# KiCad board rosco_m68k_keyboard-2.kicad_pcb (continued)
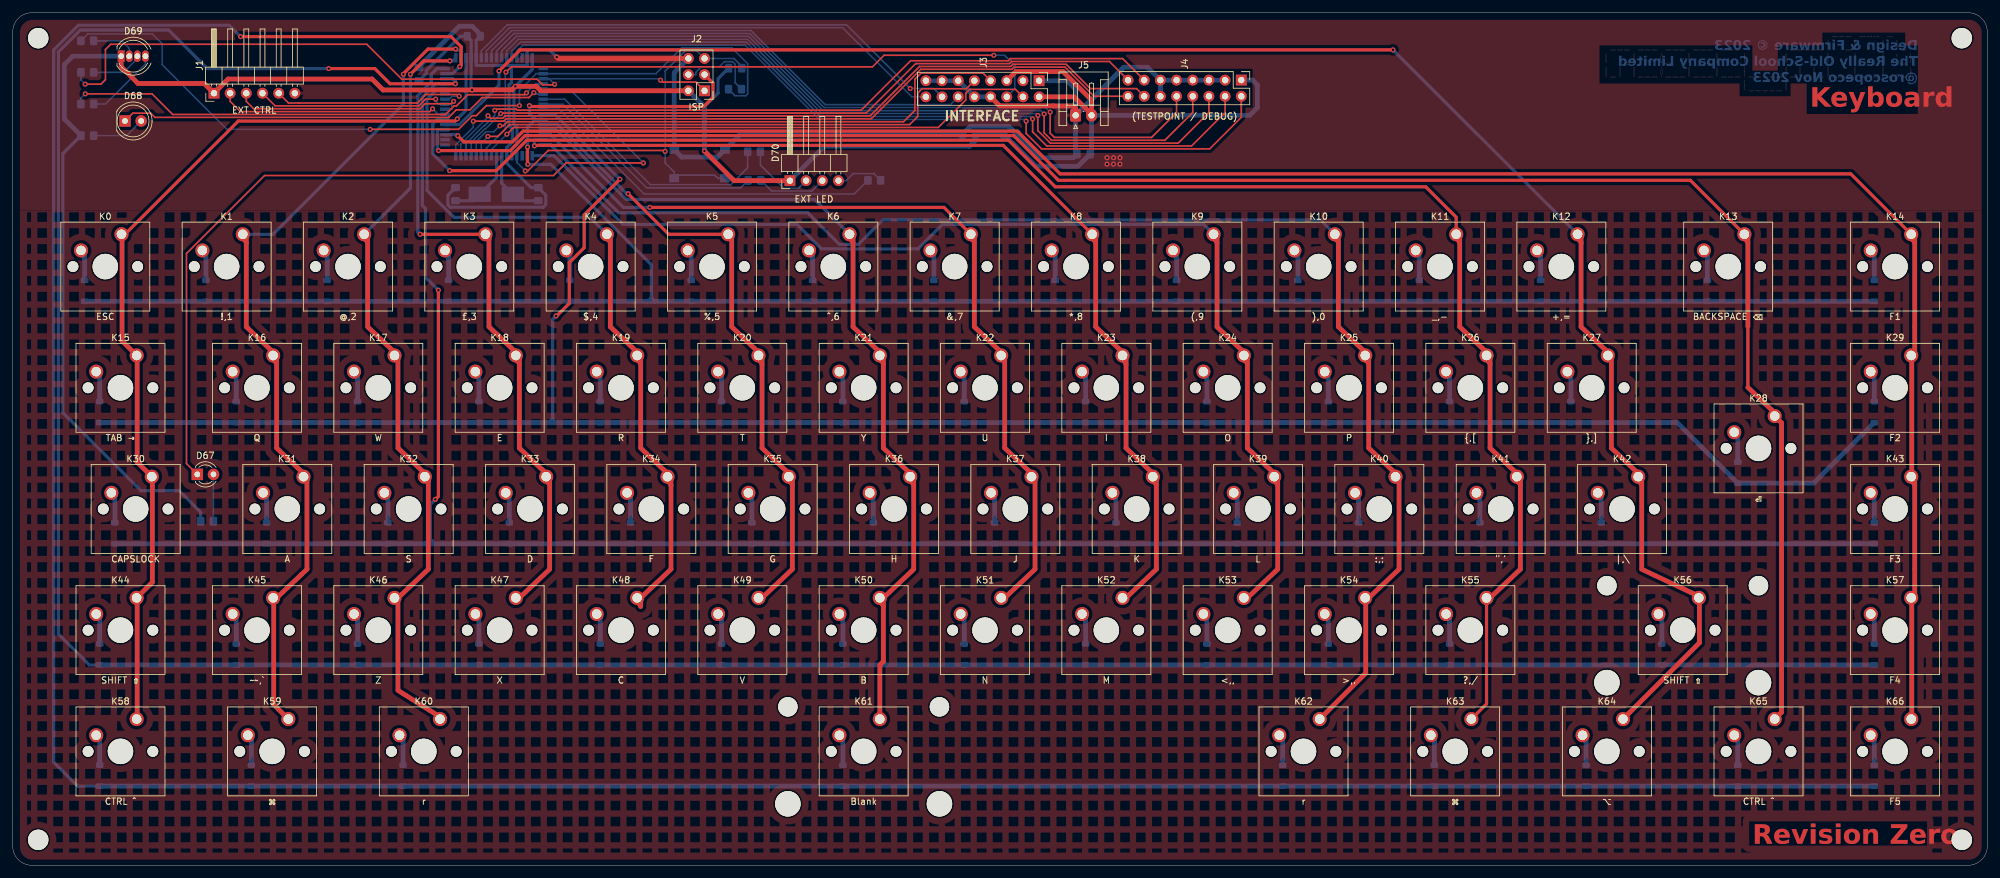
[diagram p0: board, top side]
## Nets (continued)
Net-(D30-A): D30.2 K30.2
Net-(D31-A): D31.2 K31.2
Net-(D32-A): D32.2 K32.2
Net-(D33-A): D33.2 K33.2
Net-(D34-A): D34.2 K34.2
Net-(D35-A): D35.2 K35.2
Net-(D36-A): D36.2 K36.2
Net-(D37-A): D37.2 K37.2
Net-(D38-A): D38.2 K38.2
Net-(D39-A): D39.2 K39.2
Net-(D40-A): D40.2 K40.2
Net-(D41-A): D41.2 K41.2
Net-(D42-A): D42.2 K42.2
Net-(D43-A): D43.2 K43.2
Net-(D44-A): D44.2 K44.2
Net-(D45-A): D45.2 K45.2
Net-(D46-A): D46.2 K46.2
Net-(D47-A): D47.2 K47.2
Net-(D48-A): D48.2 K48.2
Net-(D49-A): D49.2 K49.2
Net-(D50-A): D50.2 K50.2
Net-(D51-A): D51.2 K51.2
Net-(D52-A): D52.2 K52.2
Net-(D53-A): D53.2 K53.2
Net-(D54-A): D54.2 K54.2
Net-(D55-A): D55.2 K55.2
Net-(D56-A): D56.2 K56.2
Net-(D57-A): D57.2 K57.2
Net-(D58-A): D58.2 K58.2
Net-(D59-A): D59.2 K59.2
Net-(D60-A): D60.2 K60.2
Net-(D61-A): D61.2 K61.2
Net-(D62-A): D62.2 K62.2
Net-(D63-A): D63.2 K63.2
Net-(D64-A): D64.2 K64.2
Net-(D65-A): D65.2 K65.2
Net-(D66-A): D66.2 K66.2
Net-(D67-A): D67.2 R3.1
Net-(D68-A): D68.2 R4.1
Net-(D69-BK): D69.4 R7.1
Net-(D69-GK): D69.3 R6.1
Net-(D69-RK): D69.2 R5.1
Net-(D70-BK): D70.4 R10.1
Net-(D70-GK): D70.3 R9.1
Net-(D70-RK): D70.2 R8.1
Net-(J2-Pin_4): J2.4 R2.1
Net-(U1-XTAL1): C6.1 U1.24 Y1.1
Net-(U1-XTAL2): C7.1 U1.23 Y1.2

Pads without a net: J3 3; U1 1 18 19 33 34 43 62

## Via types
v1: diameter 0.8, hole 0.4, Top to Bottom, 65 vias

## Routing (per net, layer and track width the routed paths; a pad name or vN(x,y) marks a point on that pad's centre or on a via; arc(x,y) is an arc through that point)
GND: length 254.8
  Top w0.75: J3.8 154.95,119.35 163.41,119.35 163.42,119.34 166.47,119.34 166.87,118.94 J5.1 ; J2.6 85.63,126.81 v1(85.41,127.04)
  Bottom w0.25: 81.81,106.5 C7.2
  Bottom w0.5: C5.2 72.76,129.65 72.76,125.72 78.08,125.72 78.29,125.51 ; C6.2 68.33,105.32 68.33,103.8 68.71,103.42 83.27,103.42 83.68,103.83 83.68,105.34 C7.2 ; 81.81,106.5 81.38,106.5 77.56,110.32 U1.22 77.56,112.81 78.44,113.69 78.44,115.69 77.91,116.22 77.91,122.63 78.29,123.01 78.29,125.51 ; 78.29,125.51 78.51,125.72 80.76,125.72 80.76,128.13 84.32,128.13 v1(85.41,127.04)
  Bottom w0.75: J4.11 J4.9 J4.7 J4.5 J4.3 ; J4.11 178.15,125.44 174.43,125.44 J5.1 ; J4.11 J4.12 ; J5.1 166.87,121.99 165.54,123.32 J3.1 ; J5.1 166.87,112 C1.2 166.53,111.21 161.31,111.21 C3.2 156.37,116.15 150.37,116.15 C2.2 114.21,114.88 SW1.1 110.63,111.3 105.03,111.3 SW1.1 103.85,124.59 J2.6 ; 73.4,130.6 72.12,131.88 70.12,131.88 63.78,125.54 ; J3.8 J3.10 J3.11 J3.13 J3.15
  vias: v1(171.8,111.21) v1(171.8,110.2) v1(172.82,111.21) v1(172.82,110.2) v1(173.83,111.21) v1(173.83,110.2)
VCC: length 381.3
  Top w0.75: J3.2 166.62,120.78 169.37,118.03 J5.2 169.37,120.27 164.9,124.74 157.49,124.74 J3.5 ; D70.1 113.26,107.6 v1(108.59,112.27) ; J2.2 82.9,121.73 82.2,122.43 v1(78.91,122.43) 78.37,121.88 v1(72.12,121.88) 72.1,121.86 58.14,121.86 56.42,123.58 33.82,123.58 J1.1 30.06,122.88 19.66,122.88 17.02,125.52 D69.1
  Bottom w0.5: v1(72.12,121.88) 71.96,122.04 U1.52 71.96,129.69 C5.1 70.29,130.29 64.93,124.94 64.93,124.47 C4.1 ; R3.2 29.49,55.51 26.12,58.88 20.12,58.88 7.87,71.13 7.87,111.88 7.9,111.88 R4.2 ; R1.2 110.75,123.63 110.75,121.37 108.59,119.22 ; U1.21 78.36,112.53 79.14,113.32 79.14,115.98 78.69,116.44 78.69,122.2 v1(78.91,122.43) 81.56,125.07 U1.64
  Bottom w0.75: J2.2 108.59,119.22 v1(108.59,112.27) ; J4.1 194.66,123.41 195.42,122.64 195.42,119.09 194.21,117.88 J5.2 169.37,112 C1.1 ; C1.1 167.25,109.88 160.6,109.88 C3.1 C2.1 151.15,113.93 150.21,112.99 127.41,112.99 D70.1 ; C1.1 169.46,111.78 ; D69.1 9.41,127.17 8.12,125.88 8.12,117.27 R4.2
/AUX_D4: length 111.7
  Top w0.25: J4.15 172.17,126.34 156.82,126.34 156.48,126 141.76,126 133.98,118.23 76.7,118.23 v1(76.61,118.13)
  Bottom w0.25: v1(76.61,118.13) 74.21,115.74 74.11,115.74 71.96,113.59 U1.29
/AUX_D5: length 116
  Top w0.25: J4.13 174.26,126.79 156.64,126.79 156.3,126.45 140.97,126.45 133.19,118.68 79.25,118.68 79.06,118.86 75.88,118.86 v1(75.67,118.65)
  Bottom w0.25: v1(75.67,118.65) 75.67,117.85 74.01,116.19 73.92,116.19 71.16,113.43 U1.30
/AUX_D6: length 116.8
  Top w0.25: J4.14 176.44,122.07 169.2,122.07 165.38,125.89 157.01,125.89 156.67,125.55 142.37,125.55 134.59,117.77 77.27,117.77 76.91,117.41 75.01,117.41 v1(74.61,117.81)
  Bottom w0.25: U1.31 70.36,113.36 74.61,117.61 v1(74.61,117.81)
/AUX_D7: length 114.8
  Top w0.25: v1(72.3,116.95) 77.09,116.95 77.46,117.32 134.78,117.32 142.56,125.1 156.86,125.1 157.2,125.44 165.19,125.44 169.77,120.87 J4.16
  Bottom w0.25: v1(72.3,116.95) 72.3,116.01 69.56,113.27 U1.32
/AUX_F0: length 128.4
  Top w0.25: v1(159.1,116.96) 159.1,115.02 161.53,112.6 187.92,112.6 192.88,117.56 J4.2
  Bottom w0.25: U1.61 79.16,128 80.09,128.93 114.97,128.93 126.68,117.23 158.84,117.23 v1(159.1,116.96)
/AUX_F1: length 126.3
  Top w0.25: J4.4 190.34,118.33 185.07,113.05 162.35,113.05 160.12,115.28 v1(160.12,117.31)
  Bottom w0.25: v1(160.12,117.31) 159.74,117.69 126.86,117.69 115.16,129.38 79.74,129.38 78.36,128 U1.60
/AUX_F2: length 124.8
  Top w0.25: v1(160.95,117.87) 160.95,115.46 162.91,113.5 182.98,113.5 187.8,118.33 J4.6
  Bottom w0.25: U1.59 77.56,128 79.39,129.83 115.35,129.83 127.03,118.15 160.66,118.15 v1(160.95,117.87)
/AUX_F3: length 123.4
  Top w0.25: J4.8 185.26,118.33 180.89,113.95 163.1,113.95 161.93,115.12 v1(161.93,118.08)
  Bottom w0.25: 76.76,126.92 76.76,128 79.04,130.29 115.53,130.29 127.2,118.62 161.38,118.62 v1(161.93,118.08)
/AUX_F4: length 121.9
  Top w0.25: J4.10 182.72,118.33 178.8,114.4 163.54,114.4 162.88,115.06 v1(162.88,118.38)
  Bottom w0.25: v1(162.88,118.38) 162.16,119.1 127.36,119.1 115.72,130.74 78.7,130.74 75.96,128 U1.57
/Col_0: length 148.6
  Top w0.5: v1(69.8,117.31) 69.46,116.98 35.42,116.98 17.62,99.18
  Top w0.75: 21.92,60.99 21.92,44.5 K44.1 ; K30.1 19.54,63.38 19.54,80.04 ; 19.54,41.94 19.54,23.06 ; K15.1 17.16,82.43 17.16,99.09
  Bottom w0.5: U1.51 71.16,118.68 v1(69.8,117.31)
/Col_1: length 136.4
  Top w0.5: 41.44,78.76 40.89,79.32 ; v1(61.33,124.33) 61.33,124.43 65.19,128.29 v1(69.53,128.29) ; 41.44,65.63 41.44,65.58 ; 36.67,84.68 36.67,84.63 ; 36.67,97.81 36.12,98.36 ; 45.29,45.67 46.2,46.58
  Top w0.75: 46.2,46.53 41.44,42.03 ; K59.1 40.97,25.28 40.97,41.94 ; 36.67,84.68 36.67,99.18 ; 41.44,65.63 41.44,80.13 36.67,84.63 ; 41.44,65.58 46.2,61.08 46.2,46.58
  Bottom w0.5: v1(61.33,124.33) 61.33,123.33 61.33,123.32 61.33,119.65 40.86,99.18 K1.1 ; v1(69.53,128.29) 69.69,128.13 70.36,128.13 U1.50
/Col_2: length 123.7
  Top w0.5: 60.49,65.63 60.49,65.58 ; 65.25,46.58 65.25,46.53 ; 55.72,97.81 55.17,98.36 ; 55.72,84.68 55.72,84.63 ; v1(68.62,126.43) 64.54,126.43 v1(62.43,124.33) ; 65.25,60.41 64.7,60.96 ; 60.49,27.53 60.49,27.48
  Top w0.75: 65.25,46.58 65.25,61.08 60.49,65.58 ; 55.72,84.68 55.72,99.18 ; 55.72,84.63 60.49,80.13 60.49,65.63 ; 65.25,46.53 62.5,43.93 60.49,42.03 60.49,27.53 ; 67.23,23.23 60.49,27.48
  Bottom w0.5: v1(62.43,124.33) 62.43,106.44 K2.1 ; v1(68.62,126.43) 69.07,126.43 U1.49
/Col_3: length 104.6
  Top w0.5: 79.54,78.76 78.99,79.32 ; 84.3,46.58 84.3,46.53 ; K3.1 v1(63.95,99.18) ; 74.77,98.51 74.22,99.06 ; 74.77,84.68 74.77,84.63 ; 84.3,59.71 83.75,60.26 ; 79.54,65.63 79.54,65.58
  Top w0.75: 84.3,46.58 84.3,61.08 79.54,65.58 ; 74.77,99.18 74.77,84.68 ; 79.54,65.63 79.54,80.13 74.77,84.63 ; 84.3,46.53 79.54,42.03
  Bottom w0.5: U1.48 66.61,125.22 65.7,124.32 65.7,123.12 63.6,121.02 63.6,99.53 v1(63.95,99.18)
/Col_4: length 116.7
  Top w0.5: 103.35,59.71 102.8,60.26 ; 93.82,97.81 93.27,98.36 ; 103.35,46.58 103.35,46.53 ; 98.59,78.76 98.04,79.32 ; 93.82,84.68 93.82,84.63 ; 98.59,65.63 98.59,65.58 ; 98.59,40.66 98.04,41.22
  Top w0.75: 98.59,40.66 98.59,42.03 103.35,46.53 ; 103.35,46.58 103.35,61.08 98.59,65.58 ; 98.59,65.63 98.59,80.13 93.82,84.63 ; 93.82,99.18 93.82,84.68
  Bottom w0.5: K4.1 90.61,101.85 69.27,101.85 65.05,106.06 65.05,120.42 66.66,122.02 U1.44
/Col_5: length 101.8
  Top w0.5: K5.1 102.98,99.18 v1(96.61,105.55) ; 117.64,65.63 117.64,65.58 ; 112.87,98.51 112.32,99.06 ; 122.4,59.71 121.85,60.26 ; 117.64,78.76 117.09,79.32 ; 112.87,84.68 112.87,84.63 ; 122.4,46.58 122.4,46.53
  Top w0.75: 122.4,46.58 122.4,61.08 117.64,65.58 ; 112.87,99.18 112.87,84.68 ; 117.64,42.03 119.65,43.93 122.4,46.53 ; 112.87,84.63 117.64,80.13 117.64,65.63
  Bottom w0.5: v1(96.61,105.55) 96.4,105.55 85.52,116.42 83.26,116.42
/Col_6: length 141.1
  Top w0.5: 131.92,97.81 131.37,98.36 ; 131.92,84.68 131.92,84.63 ; 141.08,46.18 141.45,46.55 141.45,46.58 ; 136.69,40.66 136.14,41.22 ; 141.45,59.71 140.9,60.26 ; 136.69,78.76 136.14,79.32 ; 136.69,65.63 136.69,65.58
  Top w0.75: 141.45,46.53 136.69,42.03 136.69,32.03 136.14,31.48 K61.1 ; 141.45,46.58 141.45,61.08 136.69,65.58 ; 131.92,99.18 131.92,84.68 ; 136.69,65.63 136.69,80.13 131.92,84.63
  Bottom w0.5: 83.26,115.62 85.33,115.62 96.3,104.66 125.89,104.66 K6.1
/Col_7: length 138.5
  Top w0.5: 160.5,60.41 159.95,60.96 ; 150.97,84.68 150.97,84.63 ; 150.97,97.81 150.42,98.36 ; v1(100.01,103.4) 146.2,103.4 K7.1 ; 160.5,46.58 160.5,46.53 ; 155.74,65.63 155.74,65.58
  Top w0.75: 150.97,84.68 150.97,99.18 ; 155.74,65.63 155.74,80.13 150.97,84.63 ; 155.74,42.03 160.5,46.53 ; 155.74,65.58 160.5,61.08 160.5,46.58
  Bottom w0.5: v1(100.01,103.4) 95.88,103.4 84.46,114.82 83.26,114.82
/Col_8: length 161.2
  Top w0.5: 174.79,65.63 174.79,65.58 ; 179.55,46.58 179.55,46.53 ; 170.02,84.68 170.02,84.63 ; 170.02,97.81 169.47,98.36 ; 179.55,59.71 179,60.26 ; 174.79,78.76 174.24,79.32 ; v1(81.91,113.09) 81.97,113.15 155.5,113.15 K8.1
  Top w0.75: 174.79,42.03 179.55,46.53 ; 170.02,84.68 170.02,99.18 ; 179.55,46.58 179.55,61.08 174.79,65.58 ; 170.02,84.63 174.79,80.13 174.79,65.63
  Bottom w0.5: 83.26,114.02 82.06,114.02 81.91,113.87 v1(81.91,113.09)
/Col_9: length 181.4
  Top w0.5: 198.23,46.18 198.6,46.55 198.6,46.58 ; 198.6,59.71 198.05,60.26 ; 189.07,84.68 189.07,84.63 ; 189.07,97.81 188.52,98.36 ; 193.84,78.76 193.29,79.32 ; 193.84,65.63 193.84,65.58
  Top w0.75: 198.6,46.53 193.84,42.03 ; 193.84,65.58 198.6,61.08 198.6,46.58 ; 189.07,84.68 189.07,99.18 ; 189.07,84.63 193.84,80.13 193.84,65.63
  Bottom w0.5: K9.1 186.96,100.74 145.98,100.74 142.13,96.89 126.97,96.89 123.13,100.73 95.79,100.73 84.99,111.52 U1.17
/Col_10: length 220.1
  Top w0.5: 208.12,84.68 208.12,84.63 ; 217.65,46.58 217.65,46.53 ; 208.12,97.81 207.57,98.36 ; 212.89,65.63 212.89,65.58 ; 212.89,78.76 212.34,79.32
  Top w0.75: K62.1 212.42,30.21 212.42,41.94 ; 212.89,42.03 217.65,46.53 ; 217.65,46.58 217.65,61.08 212.89,65.58 ; 208.12,84.68 208.12,99.18 ; 212.89,65.63 212.89,80.13 208.12,84.63
  Bottom w0.5: 83.26,113.22 84.46,113.22 95.13,102.55 124.82,102.55 129.78,97.59 132.77,97.59 136.63,101.45 205.3,101.45 K10.1
/Col_11: length 264
  Top w0.5: v1(68.59,109.18) 75.91,109.18 80.71,113.97 156.35,113.97 163.67,106.64 221.84,106.64 226.62,101.86 K11.1 ; 227.17,97.81 226.62,98.36 ; 236.7,46.58 236.7,46.53 ; 227.17,84.68 227.17,84.63 ; K55.1 231.39,25.36 K63.1 ; 231.94,78.76 231.39,79.32 ; 236.7,59.71 236.15,60.26 ; 231.94,65.63 231.94,65.58
  Top w0.75: 236.7,46.58 236.7,61.08 231.94,65.58 ; 227.17,99.18 227.17,84.68 ; 227.17,84.63 231.94,80.13 231.94,65.63 ; 236.7,46.53 233.95,43.93 231.94,42.03
  Bottom w0.5: v1(68.59,109.18) 65.95,111.82 65.95,116.52 66.66,117.22 U1.38
/Col_12: length 288.3
  Top w0.5: 246.22,84.68 246.22,84.63 ; 255.75,59.71 255.2,60.26 ; 250.99,65.63 250.99,65.58 ; v1(216.69,128.16) 79.66,128.16 v1(76.34,124.83) ; 246.22,97.81 245.67,98.36 ; 255.75,46.58 255.75,46.53
  Top w0.75: 264.81,41.94 264.81,34.97 K64.1 ; 250.99,65.63 250.99,80.13 246.22,84.63 ; 246.22,99.18 246.22,84.68 ; 250.99,65.58 255.75,61.08 255.75,46.58 ; 264.82,42.24 255.75,46.53
  Bottom w0.5: K12.1 v1(216.69,128.16) ; v1(76.34,124.83) 76.34,122.62 70.14,116.42 U1.37
/Col_13: length 296.9
  Top w0.5: 272.42,97.81 271.87,98.36 ; K13.1 263.39,107.66 164.18,107.66 157.15,114.69 80.43,114.69 78.07,112.33 v1(66.85,112.33) ; 272.42,84.68 272.42,75.1
  Top w0.75: 272.42,84.68 272.42,99.18 ; 277.18,70.6 272.42,75.1 ; K28.1 277.69,69.54 277.69,24.04 K65.1
  Bottom w0.5: v1(66.85,112.33) 66.66,112.53 66.66,115.62 U1.36
/Col_14: length 315.5
  Top w0.5: K14.1 288.57,108.67 164.44,108.67 157.72,115.39 80.14,115.39 78.46,113.71 70.82,113.71 v1(69.87,114.66) ; 298.61,97.81 298.06,98.37 ; 298.61,59.71 298.06,60.27 ; 298.61,84.68 298.61,84.63 ; 298.61,46.53 298.61,46.58
  Top w0.75: 298.61,80.13 298.61,84.63 ; 298.61,99.18 298.61,84.68 ; 298.15,80.04 298.15,61.16 ; 298.61,42.03 298.61,46.53 ; 298.15,41.94 298.15,23.06 ; 298.61,46.58 298.61,61.08
  Bottom w0.5: U1.35 69.7,114.82 v1(69.87,114.66)
/LED0: length 129.3
  Top w0.25: v1(56.11,115.67) 69.99,115.67 72.15,117.83 72.78,117.83 74.36,119.4 v1(79.55,119.4)
  Bottom w0.25: v1(79.55,119.4) 79.55,121.79 82.18,124.42 100.98,124.42 105.04,128.48 112.9,128.48 115.38,125.99 115.38,121.25 115.07,120.94 113.41,120.94 R2.2 ; v1(56.11,115.67) 33.63,115.67 23.45,125.85 23.45,129.12 21.91,130.66 11.78,130.66 R5.2
/LED1: length 112.2
  Top w0.25: v1(85.07,122.75) 84.98,122.66 83.21,122.66 82.31,123.56 61.08,123.56 55.6,129.04 15.38,129.04 14.55,128.21 14.55,123.47 13.85,122.77 v1(11.37,122.77) ; J2.1 107.25,123.1 102.01,123.1 v1(101.7,123.4)
  Bottom w0.25: v1(85.07,122.75) 84.2,123.62 83.26,123.62 101.48,123.62 v1(101.7,123.4) ; v1(11.37,122.77) 10.7,123.44 R6.2
/LED2: length 77.1
  Top w0.25: v1(80.65,121.41) 80.37,121.12 71.43,121.12 69.65,119.34 69.27,119.34 67.94,118 25.12,118 21.87,121.25 v1(11.39,121.25)
  Bottom w0.25: R7.2 10.7,120.57 v1(11.39,121.25) ; 83.26,122.82 82.07,122.82 v1(80.65,121.41)
/LED3: length 133.6
  Top w0.25: D67.1 27.28,63.13 27.28,96.16 39.53,108.41 84.9,108.41 86.87,110.39 v1(99.01,110.39)
  Bottom w0.25: v1(99.01,110.39) 87.38,122.02 83.26,122.02
/LED4: length 68.1
  Top w0.25: v1(81.82,121.44) 81.05,120.67 73.71,120.67 71.77,118.73 69.62,118.73 68.44,117.55 22.32,117.55 21.66,118.21 18.85,118.21 D68.1
  Bottom w0.25: v1(81.82,121.44) 82.03,121.22 83.26,121.22
/LED5: length 41.3
  Bottom w0.25: R8.2 115.38,109.63 112.72,106.97 100.1,106.97 86.65,120.42 83.26,120.42
/LED6: length 38.1
  Bottom w0.25: 83.26,119.62 86.38,119.62 99.52,106.48 114.28,106.48 R9.2
/LED7: length 57.4
  Bottom w0.25: R10.2 132.12,105.52 99.13,105.52 85.82,118.82 83.26,118.82
/MISO: length 37.2
  Top w0.25: v1(69.21,120.07) 68.84,119.69 64.72,119.69 63.94,118.91 37.83,118.91 36.67,120.06 J1.3
  Bottom w0.25: U1.40 68.94,118.82 68.94,119.79 v1(69.21,120.07)
/MOSI: length 30.4
  Top w0.25: J1.4 41.2,119.36 63.75,119.36 64.81,120.42 v1(66.4,120.42)
  Bottom w0.25: U1.41 66.86,119.62 66.4,120.08 v1(66.4,120.42)
/Reset: length 65.7
  Top w0.25: v1(102.43,112.2) 102.28,112.35 84.07,112.35 80.86,109.14 v1(80.48,109.14)
  Bottom w0.25: U1.20 79.16,110.45 79.17,110.45 v1(80.48,109.14) ; SW1.2 110.7,107.98 110.21,108.47 103.85,108.47 103.85,108.95 102.43,110.38 v1(102.43,112.2) 102.43,124.83 105.61,128.02 107.41,128.02 J2.5 113.23,126.81 114.45,125.6
/Row_0: length 358.7
  Top w0.5: J2.3 109.93,122.96 109.93,120.71 108.48,119.25 81.27,119.25 v1(81.12,119.4) ; v1(80.87,110.17) 80.82,110.22 v1(80.82,112.88)
  Bottom w0.5: 100.26,89.21 100.83,88.64 ; 100.26,89.21 100.26,94.39 84.48,110.17 v1(80.87,110.17) ; 100.26,89.21 100.26,89.21 99.68,88.64 ; 83.26,117.22 82.06,117.22 ; 82.06,117.22 80.82,115.99 v1(80.82,112.88) ; 82.06,117.22 81.12,118.16 v1(81.12,119.4)
  Bottom w0.75: D14.1 D13.1 D7.1 D6.1 D5.1 D4.1 D3.1 D2.1 D1.1 D0.1
/Row_1: length 346.5
  Top w0.5: v1(85.3,86.34) 85.4,86.34 87.38,88.32 87.38,94.73 89.72,97.07 89.72,102.23 v1(95.32,107.83)
  Bottom w0.5: 85.27,69.59 84.77,70.09 84.77,70.21 ; 83.26,118.02 85.13,118.02 v1(95.32,107.83) ; 84.77,70.21 84.15,69.59 ; 84.77,70.21 84.77,85.81 v1(85.3,86.34)
  Bottom w0.75: D15.1 D17.1 D18.1 D24.1 D27.1 261.3,69.59 D28.1 282.74,60.06 D29.1
/Row_2: length 355
  Top w0.5: v1(66.34,57.51) 66.83,57.99 v1(66.83,90.38)
  Bottom w0.5: v1(66.83,90.38) 64.8,92.41 64.8,103.23 64.3,103.73 64.3,120.74 66.39,122.82 U1.45 ; 65.56,51.77 65.56,56.73 v1(66.34,57.51) ; 65.56,51.77 65.56,51.26 ; 65.56,51.77 65.56,51.35 64.75,50.54 ; 65.56,51.26 65.56,50.66 65.44,50.54 ; 65.56,51.26 66.28,50.54
  Bottom w0.75: D43.1 D41.1 D34.1 D33.1 D32.1 D30.1
/Row_3: length 448
  Top w0.5: v1(49.61,125.22) 56.85,125.22 59.24,122.83 v1(69.5,122.83)
  Bottom w0.5: U1.46 69.06,123.62 69.5,123.19 v1(69.5,122.83) ; D44.1 12.03,31.49 7.17,36.35 7.17,127.85 10.61,131.29 24.48,131.29 30.54,125.22 v1(49.61,125.22)
  Bottom w0.75: D57.1 D56.1 D51.1 D45.1 D44.1
/Row_4: length 472.3
  Top w0.5: v1(35.77,130.24) 68.81,130.24 70.4,128.65 70.4,125.76 v1(70.17,125.54)
  Bottom w0.5: v1(35.77,130.24) 33.99,132.02 10.31,132.02 6.42,128.14 6.42,16.2 10.18,12.44 D58.1 ; v1(70.17,125.54) 69.06,124.42 U1.47
  Bottom w0.75: D66.1 D65.1 D61.1 D60.1 D59.1 D58.1
/RXD: length 85.6
  Top w0.25: v1(74.59,114.56) 76.15,114.56 78.01,116.42 140.81,116.42 142.08,117.69 142.08,121.37 142.76,122.06 149.72,122.06 J3.9
  Bottom w0.25: U1.27 73.56,113.52 v1(74.59,114.56)
/SCK: length 36.2
  Top w0.25: v1(65.91,118.89) 65.48,118.46 35.74,118.46 34.13,120.06 J1.2
  Bottom w0.25: U1.39 66.78,118.02 v1(65.91,118.89)
/SCL: length 89.4
  Top w0.25: v1(77.58,114.9) 78.65,115.97 145.31,115.97 149.62,120.27 149.62,121.32 150.25,121.95 157.43,121.95 J3.4
  Bottom w0.25: U1.25 75.16,112.48 v1(77.58,114.9)
/SDA: length 101.5
  Top w0.25: v1(77.43,124.65) 78.28,125.5 134.97,125.5 136.79,127.31 v1(154.02,127.31)
  Bottom w0.25: v1(77.43,124.65) 77.33,124.55 77.33,115.68 74.36,112.71 U1.26 ; J3.6 157.32,122.04 157.32,125.69 155.7,127.31 v1(154.02,127.31)
/SS: length 32.1
  Top w0.25: J1.5 43.29,119.81 63.51,119.81 64.84,121.14 69.83,121.14 v1(70.09,120.88)
  Bottom w0.25: U1.42 68.54,120.42 69,120.88 v1(70.09,120.88)
/TXD: length 90.8
  Top w0.25: J3.7 152.34,124.5 142.59,124.5 141.63,123.54 141.63,118.64 139.86,116.87 77.65,116.87 77.01,116.23 v1(76.47,116.23)
  Bottom w0.25: v1(76.47,116.23) 75.53,115.28 74.29,115.28 72.76,113.75 72.76,111.52
/UART_MODE_JP_I: length 79.8
  Bottom w0.25: J3.14 144.59,122.09 v1(140.91,122.09) 130.91,132.09 77.65,132.09 73.56,128 U1.54
/UART_SPEED_JP_I: length 76.1
  Bottom w0.25: U1.55 74.36,128 78,131.64 130.29,131.64 141.16,120.78 J3.16
/X_JP_I: length 81
  Bottom w0.25: J3.12 147.22,119.55 127.54,119.55 115.91,131.19 78.35,131.19 75.16,128 U1.56
Net-(D0-A): length 4.9
  Bottom w0.75: D0.2 11.27,96.09 K0.2
Net-(D1-A): length 4.9
  Bottom w0.75: D1.2 30.32,96.09 K1.2
Net-(D2-A): length 4.7
  Bottom w0.75: K2.2 49.37,96.09 49.37,92.15
Net-(D3-A): length 5.6
  Bottom w0.75: D3.2 68.42,96.09 K3.2 ; 68.42,96.64 68.42,95.97
Net-(D4-A): length 4.9
  Bottom w0.75: D4.2 87.47,96.09 K4.2
Net-(D5-A): length 4.9
  Bottom w0.75: K5.2 106.52,96.09 D5.2
Net-(D6-A): length 4.9
  Bottom w0.75: D6.2 125.57,96.09 K6.2
Net-(D7-A): length 4.9
  Bottom w0.75: D7.2 144.62,96.09 K7.2
Net-(D8-A): length 4.9
  Bottom w0.75: D8.2 163.67,96.09 K8.2
Net-(D9-A): length 4.9
  Bottom w0.75: K9.2 182.72,96.09 D9.2
Net-(D10-A): length 4.9
  Bottom w0.75: K10.2 201.77,96.09 D10.2
Net-(D11-A): length 4.9
  Bottom w0.75: D11.2 220.82,96.09 K11.2
Net-(D12-A): length 4.9
  Bottom w0.75: D12.2 239.87,96.09 K12.2
Net-(D13-A): length 4.9
  Bottom w0.75: K13.2 266.07,96.09 D13.2
Net-(D14-A): length 4.9
  Bottom w0.75: K14.2 292.26,96.09 D14.2
Net-(D15-A): length 4.9
  Bottom w0.75: K15.2 13.65,77.04 D15.2
Net-(D16-A): length 4.9
  Bottom w0.75: K16.2 35.09,77.04 D16.2
Net-(D17-A): length 4.9
  Bottom w0.75: D17.2 54.14,77.04 K17.2
Net-(D18-A): length 4.9
  Bottom w0.75: D18.2 73.19,77.04 K18.2
Net-(D19-A): length 4.9
  Bottom w0.75: D19.2 92.24,77.04 K19.2
Net-(D20-A): length 4.9
  Bottom w0.75: K20.2 111.29,77.04 D20.2
Net-(D21-A): length 4.9
  Bottom w0.75: K21.2 130.34,77.04 D21.2
Net-(D22-A): length 4.9
  Bottom w0.75: D22.2 149.39,77.04 K22.2
Net-(D23-A): length 4.9
  Bottom w0.75: D23.2 168.44,77.04 K23.2
Net-(D24-A): length 4.9
  Bottom w0.75: D24.2 187.49,77.04 K24.2
Net-(D25-A): length 4.9
  Bottom w0.75: K25.2 206.54,77.04 D25.2
Net-(D26-A): length 4.9
  Bottom w0.75: K26.2 225.59,77.04 D26.2
Net-(D27-A): length 4.9
  Bottom w0.75: K27.2 244.64,77.04 D27.2
Net-(D28-A): length 5.6
  Bottom w0.75: D28.2 270.83,67.51 K28.2 ; 270.83,68.06 270.83,67.39
Net-(D29-A): length 4.9
  Bottom w0.75: K29.2 292.26,77.04 D29.2
Net-(D30-A): length 4.9
  Bottom w0.75: K30.2 16.04,57.99 D30.2
Net-(D31-A): length 4.9
  Bottom w0.75: K31.2 39.85,57.99 D31.2
Net-(D32-A): length 4.9
  Bottom w0.75: D32.2 58.9,57.99 K32.2
Net-(D33-A): length 4.9
  Bottom w0.75: D33.2 77.95,57.99 K33.2
Net-(D34-A): length 4.9
  Bottom w0.75: K34.2 97,57.99 D34.2
Net-(D35-A): length 4.9
  Bottom w0.75: D35.2 116.05,57.99 K35.2
Net-(D36-A): length 4.9
  Bottom w0.75: K36.2 135.1,57.99 D36.2
Net-(D37-A): length 4.9
  Bottom w0.75: K37.2 154.15,57.99 D37.2
Net-(D38-A): length 4.9
  Bottom w0.75: K38.2 173.2,57.99 D38.2
Net-(D39-A): length 4.9
  Bottom w0.75: K39.2 192.25,57.99 D39.2
Net-(D40-A): length 4.9
  Bottom w0.75: K40.2 211.3,57.99 D40.2
Net-(D41-A): length 4.9
  Bottom w0.75: K41.2 230.35,57.99 D41.2
Net-(D42-A): length 4.9
  Bottom w0.75: D42.2 249.4,57.99 K42.2
Net-(D43-A): length 4.9
  Bottom w0.75: D43.2 292.26,57.99 K43.2
Net-(D44-A): length 4.9
  Bottom w0.75: D44.2 13.65,38.94 K44.2
Net-(D45-A): length 4.9
  Bottom w0.75: D45.2 35.09,38.94 K45.2
Net-(D46-A): length 4.9
  Bottom w0.75: K46.2 54.14,38.94 D46.2
Net-(D47-A): length 4.9
  Bottom w0.75: K47.2 73.19,38.94 D47.2
Net-(D48-A): length 4.9
  Bottom w0.75: D48.2 92.24,38.94 K48.2
Net-(D49-A): length 4.9
  Bottom w0.75: D49.2 111.29,38.94 K49.2
Net-(D50-A): length 4.9
  Bottom w0.75: K50.2 130.34,38.94 D50.2
Net-(D51-A): length 4.9
  Bottom w0.75: K51.2 149.39,38.94 D51.2
Net-(D52-A): length 4.9
  Bottom w0.75: D52.2 168.44,38.94 K52.2
Net-(D53-A): length 4.9
  Bottom w0.75: K53.2 187.49,38.94 D53.2
Net-(D54-A): length 4.9
  Bottom w0.75: K54.2 206.54,38.94 D54.2
Net-(D55-A): length 4.9
  Bottom w0.75: D55.2 225.59,38.94 K55.2
Net-(D56-A): length 4.9
  Bottom w0.75: D56.2 258.92,38.94 K56.2
Net-(D57-A): length 4.9
  Bottom w0.75: D57.2 292.26,38.94 K57.2
Net-(D58-A): length 4.9
  Bottom w0.75: K58.2 13.65,19.89 D58.2
Net-(D59-A): length 4.9
  Bottom w0.75: D59.2 37.47,19.89 K59.2
Net-(D60-A): length 4.9
  Bottom w0.75: D60.2 61.28,19.89 K60.2
Net-(D61-A): length 4.9
  Bottom w0.75: K61.2 130.34,19.89 D61.2
Net-(D62-A): length 4.9
  Bottom w0.75: K62.2 199.39,19.89 D62.2
Net-(D63-A): length 4.9
  Bottom w0.75: K63.2 223.2,19.89 D63.2
Net-(D64-A): length 5.6
  Bottom w0.75: D64.2 247.02,19.89 K64.2 ; 247.02,20.44 247.02,19.77
Net-(D65-A): length 5.6
  Bottom w0.75: K65.2 270.83,19.89 D65.2 ; 270.83,20.44 270.83,19.77
Net-(D66-A): length 5.6
  Bottom w0.75: D66.2 292.26,19.89 K66.2 ; 292.26,20.44 292.26,19.77
Net-(D67-A): length 7.3
  Bottom w0.25: 31.49,61.41 R3.1
Net-(D68-A): length 8.4
  Bottom w0.25: D68.2 17.86,114.69 R4.1
Net-(D69-BK): length 12
  Bottom w0.25: R7.1 14.54,119.65 20.83,125.94 D69.4
Net-(D69-GK): length 7.8
  Bottom w0.25: 19.56,126.81 17.37,124.62 R6.1
Net-(D69-RK): length 7.3
  Bottom w0.25: R5.1 17.11,129.58 18.29,128.4 D69.2
Net-(D70-BK): length 7.5
  Bottom w0.25: R10.1 135.2,108.71 131.93,108.71 130.82,107.6 D70.4
Net-(D70-GK): length 11
  Bottom w0.25: R9.1 119.14,105.97 125.47,105.97 D70.3
Net-(D70-RK): length 11.3
  Bottom w0.25: D70.2 123.38,106.43 121.02,106.43 117.38,110.06 R8.1
Net-(J2-Pin_4): length 12.9
  Bottom w0.25: J2.4 107.25,124.27 107.25,124.64 108.06,125.45 110.86,125.45 111.73,126.31 113.02,126.31 113.42,125.91 113.42,122.98 R2.1
Net-(U1-XTAL1): length 11.4
  Bottom w0.5: C6.1 72.31,104.45 Y1.1 75.96,108.1 U1.24
Net-(U1-XTAL2): length 11.2
  Bottom w0.5: 76.76,111.52 76.76,107.21 Y1.2 79.51,104.45 C7.1

## Copper pours and planes (outline as drawn; the poured copper is in the pictures)
GND on Top, Bottom: 1.12,132.88 1.12,102.88 309.12,102.88 309.12,132.88
GND on Top, Bottom: 309.12,132.88 309.12,0.88 1.12,0.88 1.12,132.88

## Text on the board
Bottom: Design & Firmware © 2023 / The Really Old-School Company Limited / @roscopeco Nov 2023
B.Silkscreen: RESET
Top: Revision Zero | Keyboard
F.Silkscreen: EXT CTRL | ISP | EXT LED | (TESTPOINT / DEBUG) | INTERFACE
